# Altium PCB Thermostat.PCBDOC (part 5 of 5)
Units mil, origin at the board's own origin, x right, y up, seen from the top; angles counter-clockwise.
Board outline 4724.41 x 1988.19 mil, 4 copper layers (TOP, G1, L2, BOT), stack 61.023 mil thick; 417 components, 243 nets, 1244 pads, 695 vias.
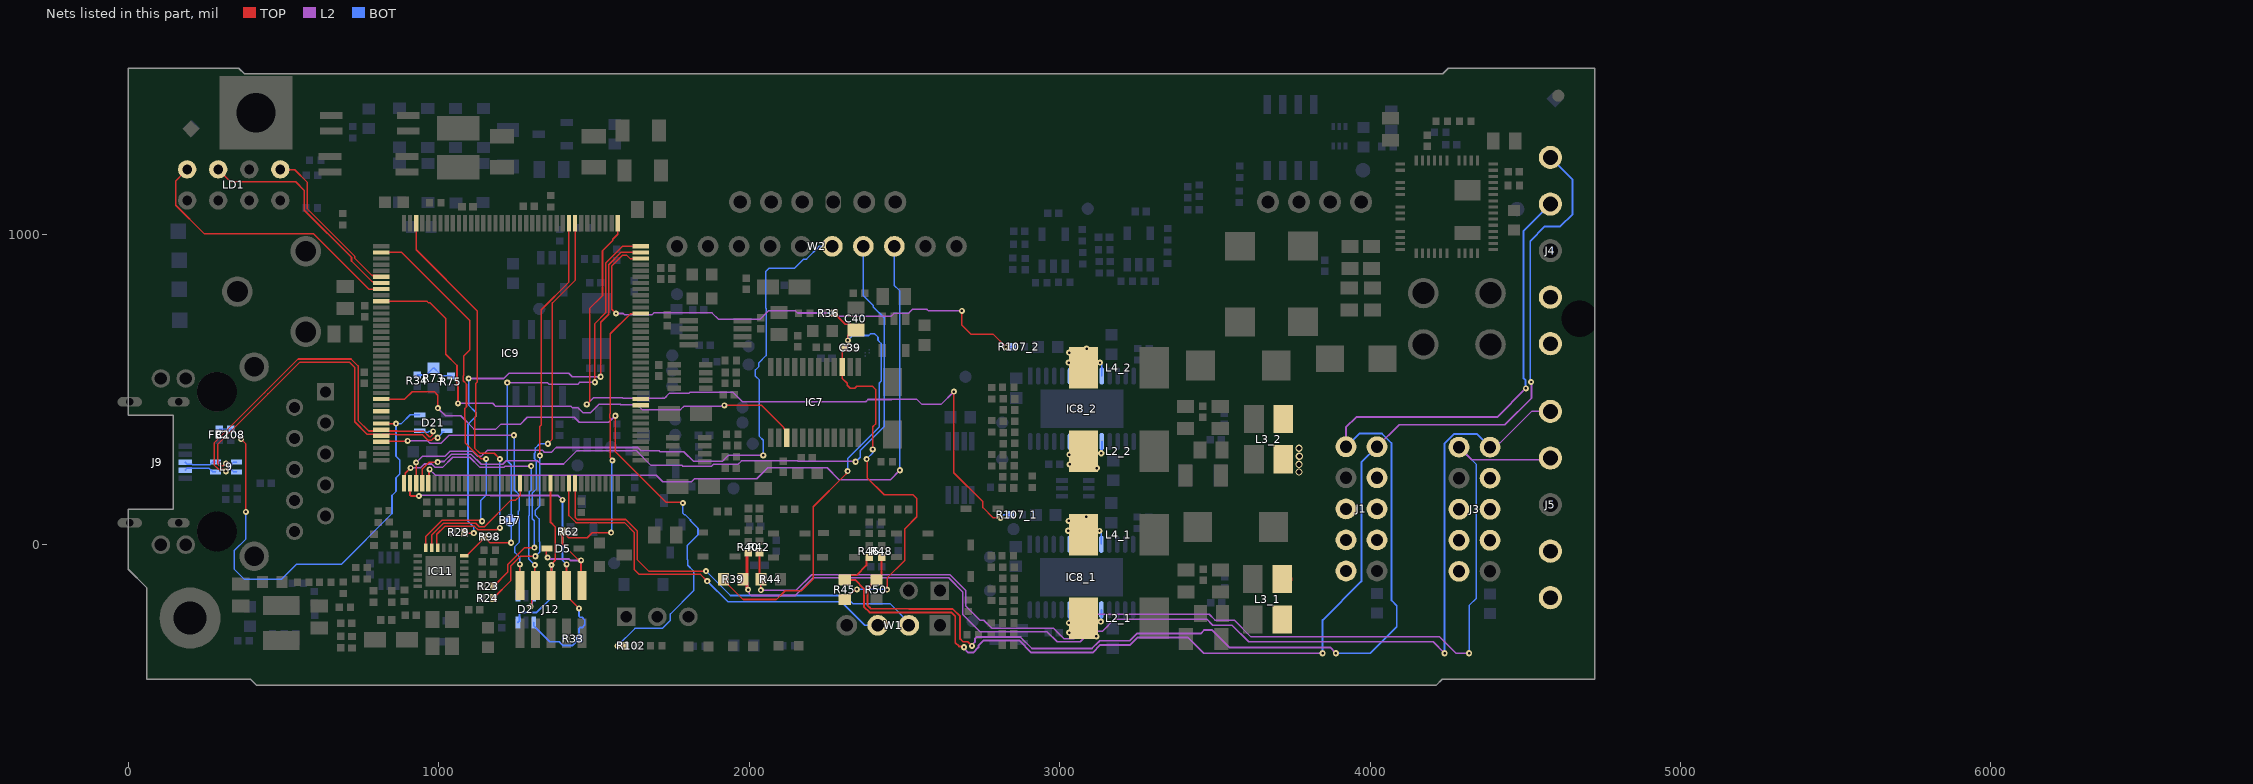
[diagram p7: the nets of this part, all layers, seen from the top]

## Via types
v1: diameter 19.68, hole 7.87, TOP to BOT, tented both sides, 555 vias
v2: diameter 23.62, hole 11.81, TOP to BOT, tented both sides, 72 vias
v3: diameter 23.62, hole 15.75, TOP to BOT, tented both sides, 63 vias
v4: diameter 25.98, hole 12.99, TOP to BOT, tented both sides, 5 vias

## Nets (pads, with @x,y where several pads share a name; then routed paths per layer and width w, separated by ;. In a path a pad name is that pad's centre, name@x,y a point inside that pad or via, vN(x,y) a via of type N, cw(c..) or ccw(c..) an arc to the next point about the centre after c; other vN are vias at no path point) (continued)
RMII_MDIO: B17.1 IC9.36 IC11.12 R98.2 | length 1528.4
  TOP w5: IC11.12@1081.69,-35.43 1089.76,-35.43 1137.26,12.07 1137.26,17.55 R98.2@1146.18,26.46 1146.18,25.68 1165.1,6.76 1227.48,6.76 v1@1230.33,9.61 ; v1(1503.03,523.67) 1503.03,712.89 1537.38,747.25 1537.38,906.74 1592.25,961.61 IC9.36@1650.59,961.61
  L2 w5: v1(1220.47,522.64) 1349.52,522.64 1354.13,518.03 1448.79,518.03 1454.43,523.67 v1(1503.03,523.67)
  BOT w5: v1(1220.47,522.64) 1220.47,271.06 1233.14,258.39 v1(1233.14,6.8)
RMII_REF_CLK: IC9.35 R29.1 | length 1484.6
  TOP w5: R29.1@1083.46,39.78 1085.69,37.55 v1(1112.7,37.55) ; v1(1521.59,541.39) 1521.59,717.31 1547.38,743.1 1547.38,902.6 1587.1,942.32 1650.2,942.32 IC9.35@1650.59,941.93
  L2 w5: v1(1096.12,535.83) 1209.14,535.83 1226.02,552.71 1418.54,552.71 1429.87,541.39 v1(1521.59,541.39)
  BOT w5: v1(1096.12,535.83) 1096.12,450.15 1118.77,427.5 1118.77,413.13 1094.17,388.53 1094.17,76.04 1112.7,57.51 v1(1112.7,37.55)
RMII_RXD0: IC9.44 R23.1 | length 1321.8
  TOP w5: R23.1@1177.2,-133.86 1177.2,-133.07 1222.44,-87.83 1222.44,-63.17 1276.89,-8.72 v1(1307.92,-8.72) ; v1(1351.44,325.83) 1366.16,340.54 1366.16,779.04 1438.98,851.86 IC9.44@1438.98,1035.43
  BOT w5: v1(1307.92,-8.72) 1307.92,77.68 1301.4,84.21 1301.4,166.64 1314.59,179.83 1314.59,271.01 1308.44,277.15 1308.44,294.51 1311.4,297.46 1311.4,312.01 1325.22,325.83 v1(1351.44,325.83)
RMII_RXD1: IC9.45 R24.1 | length 1346.9
  TOP w5: R24.1@1176.97,-171.26 1176.97,-170.47 1232.44,-115 1232.44,-67.31 1262.94,-36.81 v1(1311.36,-36.81) ; v1(1325.79,287.32) 1325.79,381.51 1330.33,386.06 1330.33,757.36 1419.29,846.32 IC9.45@1419.29,1035.43
  BOT w5: v1(1311.36,-36.81) 1325.26,-22.91 1325.26,8.34 1323.21,10.39 1323.21,83.56 1311.4,95.38 1311.4,111.33 1325.79,125.72 v1(1325.79,287.32)
RMII_TX_EN: IC9.70 IC11.16 | length 1391.7
  TOP w5: IC9.70@927.17,1035.43 927.21,1035.38 927.21,950.2 1123.46,753.95 1123.46,524.5 1118.77,519.81 1118.77,413.13 1116.57,410.93 1116.57,310.67 1132.58,294.67 1178.85,294.67 v1(1196.91,276.61) ; IC11.16@997.05,-9.84 994.04,-6.83 994.04,8.73 993.62,9.14 993.62,34.04 1019.06,59.48 1115.29,59.48 1126.21,48.57 1186.92,48.57 1193.07,54.72 v1(1197.05,54.72)
  BOT w5: v1(1196.91,276.61) 1196.98,276.54 1196.98,54.79 v1(1197.05,54.72)
RMII_TXD0: IC9.128 IC11.17 | length 428.6
  TOP w5: IC11.17@977.36,-9.84 977.36,31.92 1014.92,69.48 1119.43,69.48 1130.35,58.57 1146.95,58.57 1232.44,144.06 1248.34,144.06 1261.81,157.53 IC9.128@1261.81,198.82
RMII_TXD1: IC9.74 IC11.18 | length 1327.4
  TOP w5: IC9.74@813.98,941.93 880.73,941.93 1100.12,722.54 1100.12,627.93 1079.88,607.69 1079.88,544.11 1078.78,543.01 1078.78,528.64 1089.4,518.02 1089.4,444.43 1084.09,439.11 1084.09,405.55 1085.2,404.44 1085.2,327.9 1135.27,277.83 1151.39,277.83 v1(1152.62,276.61) ; IC11.18@957.68,-9.84 957.68,26.38 1010.78,79.48 1132.22,79.48 1135.79,75.91 v1(1139.76,75.91)
  BOT w5: v1(1139.76,75.91) 1136.95,78.72 1136.95,84.9 1135.67,86.18 1135.67,143.59 1152.62,160.53 v1(1152.62,276.61)
RST: D5.2 IC9.25 J12.10 R62.2 | length 1277.4
  TOP w5: R62.2@1408.52,33.22 1418.52,23.22 1478.55,23.22 1494.68,39.36 v1(1555.12,39.36) ; R62.2@1408.52,34.01 R62.2@1399.61,42.92 1398.62,41.94 1398.62,2.78 1448.59,-47.19 1452.15,-47.19 v1@1458.66,-53.7 ; v1(1559.13,271.69) 1559.13,275.19 1552.36,281.96 1552.36,407.73 1551.44,408.64 1551.44,423.01 1552.36,423.93 1552.36,679.72 1616.52,743.88 1649.39,743.88 IC9.25@1650.59,745.08
  TOP w6: v1@1346.19,-32.94 1346.19,-15.43 D5.2@1349.41,-12.21 ; v1@1458.66,-53.7 1458.66,-128.21 J12.10@1461.36,-130.91
  L2 w6: v1(1350.39,-40.84) 1354.63,-45.08 1419.14,-45.08 1424.06,-50 v1(1458.66,-50)
  BOT w5: v1(1555.12,39.36) 1557.12,41.36 1557.12,269.68 v1(1559.13,271.69)
RXD: IC9.137 W1.2 | length 1389.1
  TOP w5: IC9.137@1438.98,198.82 1438.96,89.02 1446.28,81.7 1602.26,81.7 1639.94,44.02 1639.94,-48.62 1675.97,-84.65 1860.69,-84.65 v1(1860.86,-84.47)
  BOT w5: v1(1860.86,-84.47) 1939.52,-163.12 2307.77,-163.12 2333.82,-189.17 2453.48,-189.17 2480.66,-216.35 2480.66,-217.14 2514.19,-250.67 W1.2@2514.19,-259.16
SCL0: IC9.11
SCL1: IC9.100
SDA0: IC9.10
SENS0_1: J1.1 J4.4 R48.1 R50.2 | length 4205.9
  TOP w6: R48.1@2426.44,-39.81 2426.44,-98.09 2411.72,-112.81 R50.2@2409.97,-112.81 2408,-112.81 2393.28,-127.52 2393.28,-129.49 2381.35,-141.43 2381.35,-195.89 2386.97,-201.51 2387.68,-201.51 2392.12,-205.95 2513.45,-205.95 2514.19,-206.69 2655.52,-206.69 2679.48,-230.65 2679.48,-302.82 2688.72,-312.05 2704.06,-312.05 v1(2717.68,-325.67)
  L2 w6: v1(2717.68,-325.67) 2717.68,-321.97 2727.87,-311.78 2727.87,-301.16 2732.11,-296.91 2873.92,-296.91 2910.88,-333.87 3104.1,-333.87 3126.05,-311.91 3126.95,-311.91 3129.77,-309.1 3225.15,-309.1 3248.57,-285.67 3454.05,-285.67 3464.97,-274.76 3491.31,-274.76 3546.72,-330.16 3871.18,-330.16 v1(3890.04,-349.02) ; J1.1@3922.26,315.9 3922.26,378.28 3955.4,411.42 4409.29,411.42 v1(4502.09,504.21)
  BOT w6: v1(3890.04,-349.02) 4000.52,-349.02 4085.63,-263.91 4085.63,-195.87 4068.9,-179.13 4068.9,327.91 4038.31,358.5 3964.86,358.5 J1.1@3922.26,315.9 ; v1(4502.09,504.21) 4500.86,505.44 4500.86,529.97 4494.55,536.28 4494.55,1011.54 J4.4@4580.84,1097.84
SENS0_2: J1.2 J4.5 R45.1 R46.1 | length 4110.9
  TOP w6: R46.1@2386.91,-39.81 2386.12,-39.81 2377.7,-48.23 2377.7,-66.24 2345.85,-98.09 2322.62,-98.09 R45.1@2307.9,-112.81 2341.12,-112.81 2369.21,-140.9 2369.21,-199.31 2387.59,-217.69 2650.97,-217.69 2663.5,-230.23 2663.5,-314.64 2676.14,-327.28 2689.31,-327.28 v1(2691.93,-329.89)
  L2 w6: v1(2691.93,-329.89) 2691.93,-333.22 2705.86,-347.15 2721.44,-347.15 2738.42,-330.16 2738.42,-324.9 2755.41,-307.91 2869.37,-307.91 2908.49,-347.04 3106.49,-347.04 3131.22,-322.3 3227.5,-322.3 3251.83,-297.97 3412.63,-297.97 3463.69,-349.02 v1(3847.11,-349.02) ; J1.2@4022.26,315.9 4093.26,386.89 4434.38,386.89 4519.93,472.44 4519.93,523.38 v1(4518.7,524.61)
  BOT w6: v1(3847.11,-349.02) 3847.11,-242.55 3971.98,-117.69 3971.98,265.62 J1.2@4022.26,315.9 ; v1(4518.7,524.61) 4518.7,527.68 4515.75,530.64 4515.75,978.62 4562.89,1025.76 4612.45,1025.76 4652.13,1065.44 4652.13,1176.54 J4.5@4580.84,1247.84
SENS1_1: J3.1 J5.4 R42.1 R44.2 | length 3647
  TOP w5: v1(2037.5,-145.78) R44.2@2037.5,-111.02
  TOP w6: R42.1@2033.05,-25.45 2033.05,-106.54 R44.2@2037.52,-111
  L2 w5: v1(2037.5,-145.78) 2151.76,-145.78 2201.29,-96.25 2646.72,-96.25 2698.08,-147.62 2698.08,-197.43 2743.8,-243.15 2755.87,-243.15 2781.72,-269 2980.28,-269 3013.81,-302.52 3045.1,-302.52 3072.87,-274.76 3072.87,-252.12 3101.12,-223.87 3481.82,-223.87 3500.42,-242.48 3562.19,-242.48 3615.13,-295.41 4223.12,-295.41 4276.73,-349.02 v1(4318.9,-349.02) ; J3.1@4286.44,314.72 4327.4,273.76 4574.87,273.76 J5.4@4580.84,279.72
  BOT w5: J3.1@4286.44,314.72 4342.52,258.64 4342.52,-172.04 4318.9,-195.66 v1(4318.9,-349.02)
SENS1_2: J3.2 J5.5 R39.1 R40.1 | length 3710.4
  TOP w10: v1(1996.65,-144.3) 1996.65,-141.68 1993.04,-138.07 1993.04,-123.72 R39.1@1980.32,-111 1993.04,-98.29 1993.04,-30.12 R40.1@1996.9,-26.26
  L2 w5: v1(1996.65,-144.3) 1999.46,-147.11 1999.46,-156.69 2005.89,-163.12 2148.56,-163.12 2205.43,-106.25 2642.57,-106.25 2688.08,-151.76 2688.08,-224.41 2743.8,-280.13 2959.56,-280.13 2991.95,-312.52 3066.69,-312.52 3101.48,-277.74 3138.5,-277.74 3177.05,-239.19 3473.65,-239.19 3493.55,-259.08 3555.38,-259.08 3608.82,-312.52 4203.3,-312.52 v1(4239.8,-349.02) ; J3.2@4386.44,314.72 4403.2,314.72 4417.74,329.27 4419.82,329.27 4520.28,429.72 J5.5@4580.84,429.72
  BOT w6: v1(4239.8,-349.02) 4239.8,326.73 4270.39,357.31 4343.84,357.31 J3.2@4386.44,314.72
SPI3_MISO: IC9.112 W2.7 | length 2291
  TOP w5: IC9.112@946.85,198.82 946.85,243.92 969.58,266.65 v1(996.07,266.65)
  L2 w5: v1(996.07,266.65) 997.94,268.52 1017.17,268.52 1040.79,292.14 1103.89,292.14 1136.76,259.27 1205.81,259.27 1217.54,270.99 1317.59,270.99 1328.13,260.45 1402.19,260.45 1445.24,303.5 1636.46,303.5 1684.06,255.91 1700.79,255.91 ; 1700.79,256.15 1783.18,256.15 1785.97,253.36 1878.5,253.36 1884.04,258.9 1963.34,258.9 1974.89,270.45 2155.52,270.45 2157.12,268.86 2341.72,268.86 v1(2343,267.57)
  BOT w5: v1(2343,267.57) 2357.8,282.37 2357.8,304.29 2434.83,381.32 2434.83,731.26 2399.84,766.25 2399.84,770.62 2367.51,802.94 W2.7@2367.51,961.61
SPI3_MOSI: IC9.113 W2.8 | length 2353.2
  TOP w5: IC9.113@966.54,198.82 968.55,200.83 968.55,241.1 v1(970.56,243.11)
  L2 w5: v1(970.56,243.11) 989.84,223.83 1700.38,223.83 1721.13,203.08 1814.3,203.08 1824.12,212.9 2024.43,212.9 2059.95,248.43 2251.13,248.43 2289.52,210.04 2455.12,210.04 v1(2485.24,240.16)
  BOT w5: W2.8@2467.51,961.61 2467.51,835.64 2484.25,818.9 2484.25,241.14 v1(2485.24,240.16)
SPI3_SCK: IC9.111 W2.6 | length 2115.8
  TOP w5: IC9.111@927.17,198.82 v1(927.17,265.26)
  L2 w5: v1(927.17,265.26) 946.77,284.86 1019.37,284.86 1036.65,302.14 1108.03,302.14 1125.31,284.86 1136.34,284.86 1146.14,294.67 1146.95,294.67 1156.95,304.67 1333.94,304.67 1340.12,298.48 1362.77,298.48 1377.79,313.5 1640.6,313.5 1651.33,302.77 1709.94,302.77 1712.57,300.14 1789.47,300.14 1820.71,268.9 1914.2,268.9 1933.72,288.42 v1(2045.38,288.42)
  BOT w5: v1(2045.38,288.42) 2045.38,336.86 2032.89,349.34 2032.89,530.64 2020.16,543.37 2020.16,563.34 2031.32,574.49 2031.32,586.95 2054.34,609.98 2054.34,761.43 2053.24,762.53 2053.24,880.77 2063.4,890.93 2145.83,890.93 2175.56,920.65 2184.49,920.65 2225.45,961.61 W2.6@2267.52,961.61
STAT1R: IC9.78 LD1.8 | length 521
  TOP w5: LD1.8@498.03,1211.61 510.2,1199.45 518.78,1208.03 536.28,1208.03 577.09,1167.22 577.09,1081.99 728.86,930.22 728.86,923.92 785.2,867.58 809.59,867.58 IC9.78@813.98,863.19
STAT3G: IC9.79 LD1.4 | length 720.6
  TOP w5: LD1.4@287.4,1204.72 294.29,1204.72 329.35,1169.67 539.16,1169.67 567.09,1141.73 567.09,1077.85 718.86,926.08 718.86,914.23 785.2,847.89 809.59,847.89 IC9.79@813.98,843.5
STAT4G: IC9.80 LD1.2 | length 900.5
  TOP w5: LD1.2@178.15,1210.63 178.15,1198.03 152.54,1172.42 152.54,1094.11 244.07,1002.58 595.34,1002.58 774.1,823.82 IC9.80@813.98,823.82
SW1_1: IC8_1.19 IC8_1.21 IC8_1.23 L2_1.1 | length 262.7
  BOT w6: v1(3029.98,-251.15) 3031.8,-251.15 3031.98,-250.98 IC8_1.23@3031.98,-209.17 ; v1(3030.48,-282.76) 3047.64,-282.76 3083.16,-247.24 ; IC8_1.21@3083.16,-209.17 3083.16,-247.24 ; v1(3118.55,-295.08) 3097.8,-295.08 3083.16,-280.43 3083.16,-247.24 ; v1(3132.36,-247.06) 3134.34,-245.08 IC8_1.19@3134.34,-209.17
SW1_2: IC8_2.19 IC8_2.21 IC8_2.23 L2_2.1 | length 262.7
  BOT w6: v1(3031.5,290.85) 3033.32,290.85 3033.5,291.02 IC8_2.23@3033.5,332.83 ; v1(3032,259.24) 3049.16,259.24 3084.68,294.76 ; IC8_2.21@3084.68,332.83 3084.68,294.76 ; v1(3120.07,246.92) 3099.32,246.92 3084.68,261.57 3084.68,294.76 ; v1(3133.88,294.94) 3135.86,296.92 IC8_2.19@3135.86,332.83
SW2_1: IC8_1.6 IC8_1.8 IC8_1.10 L4_1.1 | length 250.3
  BOT w5: v1(3027.48,45.24) 3031.98,40.75 IC8_1.6@3031.98,1.86 ; v1(3029.48,77.24) 3043.51,77.24 3083.16,37.6 ; IC8_1.8@3083.16,1.86 3083.16,37.6 ; v1(3085.57,90.24) 3085.57,40.01 3083.16,37.6 ; v1(3128.36,44.94) 3134.34,38.97 IC8_1.10@3134.34,1.86
SW2_2: IC8_2.6 IC8_2.8 IC8_2.10 L4_2.1 | length 250.3
  BOT w5: v1(3029,587.24) 3033.5,582.75 IC8_2.6@3033.5,543.86 ; v1(3031,619.24) 3045.03,619.24 3084.68,579.6 ; IC8_2.8@3084.68,543.86 3084.68,579.6 ; v1(3087.09,632.24) 3087.09,582.01 3084.68,579.6 ; v1(3129.88,586.94) 3135.86,580.97 IC8_2.10@3135.86,543.86
SWCLK: D2.3 IC9.109 J12.4 | length 986.3
  TOP w5: IC9.109@887.8,198.82 892.19,203.21 892.19,231.02 v1(909.13,247.96) ; v1@1298.9,-191.22 1298.9,-143.37 J12.4@1311.36,-130.91 1309.39,-128.94 v1(1309.39,-64.82)
  L2 w5: v1(909.13,247.96) v1(909.13,247.96) 940.56,247.91 953.1,260.45 977.75,260.45 988.89,249.31 1012.11,249.31 1044.94,282.14 1099.75,282.14 1132.62,249.27 1209.96,249.27 1214.34,253.65 v1(1297.24,253.65)
  BOT w5: v1(1295.28,-198.82) 1295.28,-194.85 1300.73,-189.39 1300.73,-168.76 D2.3@1306.1,-163.39 ; v1(1297.24,253.65) 1297.24,176.63 1291.4,170.78 1291.4,94.59 1290.58,93.77 1290.58,-46.01 v1(1309.39,-64.82)
SWDIO: D2.1 IC9.105 J12.2 | length 1053.4
  TOP w5: IC9.105@813.98,331.69 815.47,333.19 898.15,333.19 v1@899.65,331.69 ; J12.2@1261.36,-130.91 v1(1261.36,-62.92)
  L2 w5: v1(899.65,334.68) 964.53,334.68 972.29,326.93 1007.13,326.93 1033.21,353.01 v1(1242.13,353.01)
  BOT w5: v1(1242.13,353.01) 1243.14,352 1243.14,177.49 1259.84,160.79 1259.84,112.09 1256.34,108.59 1256.34,94.22 1259.84,90.72 1259.84,8.98 1245.28,-5.59 1245.28,-24.61 1261.36,-40.69 v1(1261.36,-62.92) 1261.36,-107.91 1260.3,-108.98 1260.3,-158.01 D2.1@1254.92,-163.39
SYNC: IC7.15 IC9.82 | length 1674.5
  TOP w5: IC9.82@813.98,784.45 961.87,784.45 967.11,779.21 972.73,779.21 1022.78,729.17 1022.78,614.09 1058.78,578.09 1058.78,520.36 1062.06,517.08 v1(1062.06,455.75) ; v1(1920.28,448.99) 2040.23,448.99 2111.89,377.33 2111.89,374.6 2121.12,365.37 IC7.15@2121.12,344.7
  L2 w5: v1(1062.06,455.75) 1173.56,455.75 1183.31,446 1426.19,446 1431.15,441.04 1449.24,441.04 1465.32,424.97 1487.97,424.97 1516.17,453.17 1584.25,453.17 1586.38,451.04 1639.75,451.04 1655.01,435.78 1779.05,435.78 1789.56,446.28 1917.57,446.28 v1(1920.28,448.99)
TACHO: IC9.98 R102.1 | length 1951.6
  TOP w5: IC9.98@813.98,469.49 890.75,469.49 914.37,493.11 986.07,493.11 997.05,482.14 v1(997.05,440.29) ; v1(1568.78,415.83) 1568.78,300.31 1731.3,137.8 v1@1783.46,137.8 ; v1(1575.22,-325.88) 1600.87,-325.88 R102.1@1600.99,-325.76
  L2 w5: v1(997.05,440.29) 1021.41,415.93 1070.45,415.93 1113.37,373.01 1184.28,373.01 1199.09,387.82 1262.17,387.82 1285.39,411.04 1436.81,411.04 1452.89,394.97 1547.92,394.97 v1(1568.78,415.83)
  BOT w5: v1(1575.22,-325.88) 1631.85,-269.26 1719.53,-269.26 1746.07,-242.72 1746.07,-222.51 1820.82,-147.76 1820.82,-84.57 1801.73,-65.47 1801.73,-48.79 1800.41,-47.48 1800.41,-2.09 1835.1,32.59 1835.1,53.32 1810.87,77.55 1810.87,80.17 1794.5,96.54 1791.87,96.54 1786.42,102 v1(1786.42,134.84)
TDI: D2.4 IC9.110 J12.8 R33.2 | length 1224.5
  TOP w6: IC9.110@907.48,198.82 906.99,198.33 906.99,160.29 909.87,157.4 v1(935.82,157.4) ; v1(1411.75,-62.92) 1411.75,-130.51 J12.8@1411.36,-130.91 1411.36,-163.19 1451.77,-203.6 v1(1451.77,-204.61)
  L2 w6: v1(935.82,157.4) 938.12,159.7 1165.86,159.7 1167,158.55 1382.27,158.55 1383.51,159.79 v1(1398.62,144.68)
  BOT w6: D2.4@1306.1,-250 1306.1,-260.83 1357.28,-312.01 1387.8,-312.01 1399.61,-323.82 1431.69,-323.82 1451.57,-303.94 R33.2@1451.57,-303.15 1451.57,-270.2 1455.09,-266.69 1461.66,-266.69 1470.47,-257.87 1470.47,-242.13 1461.66,-233.31 1455.29,-233.31 1451.77,-229.8 v1(1451.77,-204.61) ; v1(1398.62,144.68) 1398.62,-49.79 v1(1411.75,-62.92)
TDO: D2.6 IC9.133 J12.6 | length 600.6
  TOP w6: IC9.133@1360.24,198.82 1360.24,72.42 1375.13,57.53 1375.13,-50.11 1363.27,-61.97 v1@1363.27,-64.9 ; J12.6@1361.36,-130.91 1363.19,-129.07 1363.19,-68.65 v1@1361.36,-66.82
  BOT w6: D2.6@1254.92,-250 1259.53,-245.39 1259.53,-222.3 1264.15,-217.68 1315.66,-217.68 1363.19,-170.16 v1(1363.19,-64.82)
TEC0_N: J1.4 J1.6 J1.8 J4.1 L3_2.2
  other v3: 3771.06,234.62 3771.06,259.24 3772.27,285.43 3771.06,311.17
TEC0_P: J1.5 J1.7 J1.9 J4.2 L3_2.3
TEC1_N: J3.4 J3.6 J3.8 J5.1 L3_1.2
TEC1_P: J3.5 J3.7 J3.9 J5.2 L3_1.3 | length 13.5
  TOP w40: L3_1.3@3716.98,-110.23 L3_1.3@3730.47,-110.23
TXD: IC9.136 W1.3 | length 1315.5
  TOP w5: IC9.136@1419.29,198.82 1419.29,94.54 1442.14,71.7 1598.12,71.7 1629.79,40.02 1629.79,6.66 1629.94,6.51 1629.94,-79.35 1645.96,-95.37 1843.41,-95.37 v1(1865,-116.96)
  BOT w5: v1(1865,-116.96) 1931.43,-183.39 2296.65,-183.39 2372.12,-258.86 2413.89,-258.86 W1.3@2414.19,-259.16
USB_ID: C108.2 D21.6 FB2.1 IC9.102 | length 1577
  TOP w5: v1(363.19,340.54) 378.77,324.96 v1(378.77,106.22) ; IC9.102@813.98,390.75 v1(862.25,390.75)
  BOT w5: FB2.1@292.65,372.91 329.66,372.91 C108.2@330.05,372.51 331.22,372.51 v1(363.19,340.54) ; v1(378.77,106.22) 378.77,18.91 340.77,-19.09 340.77,-77.77 374.21,-111.21 434.27,-111.21 434.45,-111.04 493.3,-111.04 541.32,-63.01 685.53,-63.01 849.35,100.81 849.35,159.35 862.25,172.24 862.25,216.2 874.82,228.78 874.82,272.74 862.25,285.31 v1(862.25,390.75) 879.9,390.75 907.85,418.7 D21.6@938.96,418.7
USB_N: D21.4 IC9.103 L9.3 | length 1245.1
  TOP w5: v1(314.06,237.08) 312.71,237.08 305.86,243.92 289.73,243.92 286.51,247.14 276.4,257.25 276.4,328.04 438.94,490.58 546.96,598.6 717.56,598.6 740.14,576.02 740.14,400.83 774.25,366.72 809.63,366.72 IC9.103@813.98,371.06 815.13,372.22 820.63,366.72 865.61,366.72 866.85,365.48 952.26,365.48 969.76,347.97 973.37,347.97 979.01,353.62 979.01,362.5 v1(981.82,365.31)
  BOT w5: v1(314.06,237.08) 316.37,237.08 323.21,243.92 330.28,243.92 333.21,240.99 333.21,240.61 338.58,235.24 L9.3@348.43,235.24 ; D21.4@938.96,367.52 944.34,362.15 964.27,362.15 967.44,365.31 v1(981.82,365.31)
USB_P: D21.3 IC9.104 L9.2 | length 1201.3
  TOP w5: v1(314.06,261.76) 312.71,261.76 305.86,254.92 294.29,254.92 287.4,261.81 287.4,323.48 449.94,486.02 551.52,587.6 713.01,587.6 729.14,571.47 729.14,396.27 769.69,355.72 809.63,355.72 IC9.104@813.98,351.38 818.32,355.72 861.05,355.72 862.29,354.48 947.7,354.48 965.21,336.97 976.51,336.97 983.12,343.58 994.5,343.58 v1(996.07,345.16)
  BOT w5: v1(314.06,261.76) 317.2,261.76 324.04,254.92 330.28,254.92 333.21,257.85 333.21,261.36 338.58,266.73 L9.2@348.43,266.73 ; v1(996.07,345.16) 1009.38,358.46 1009.38,362.15 1011.41,364.17 D21.3@1017.72,364.17
USB_VBUS: R34.2 R73.1 R75.1 | length 131.2
  BOT w5: R34.2@931.1,547.05 961.42,547.05 966.08,551.71 966.08,553.68 981.3,568.9 R73.1@983.27,568.9 985.24,568.9 1000.45,553.68 1000.45,549.74 1005.91,544.29 1039.37,544.29 R75.1@1039.37,544.09
USBJ_N: J9.2 L9.4 | length 106.5
  BOT w5: J9.2@183.07,240.16 189.43,246.52 204.22,246.52 205.15,247.45 237.35,247.45 259.44,247.45 271.65,235.24 L9.4@281.5,235.24
USBJ_P: J9.3 L9.1 | length 104.9
  BOT w5: J9.3@183.07,265.75 189.43,259.39 204.41,259.39 205.35,258.45 241.91,258.45 263.37,258.45 271.65,266.73 L9.1@281.5,266.73
Vref0: IC9.34 R107_2.1 | length 1666.7
  TOP w5: v1(1571,745.24) 1557.38,758.86 1557.38,898.46 1591.24,932.32 1606.04,932.32 1616.11,922.24 IC9.34@1650.59,922.24 ; v1(2684.85,753.62) 2684.85,708.17 2715.08,677.94 2786.58,677.94 v1(2826.68,637.83)
  L2 w5: v1(1571,745.24) 1594.47,745.24 1598.82,740.9 1687.13,740.9 1693.28,747.04 1880.23,747.04 1900.74,726.53 2034.57,726.53 2061.45,753.42 2149.45,753.42 2156.01,746.85 2255.72,746.85 2266.49,736.09 2456.55,736.09 2466.05,745.59 2512.61,745.59 2525.61,758.59 2572.18,758.59 2577.15,753.62 v1(2684.85,753.62)
  BOT w5: v1(2826.68,637.83) R107_2.1@2850.31,637.83
Vref1: IC9.37 R107_1.1 | length 2384.8
  TOP w5: v1(1476.64,452.31) 1485.68,461.35 1485.68,761.02 1527.38,802.72 1527.38,947.15 1560.6,980.37 1560.6,984.55 1576.77,1000.72 IC9.37@1576.77,1035.43 ; v1@2654.06,493.53 2654.06,489.56 2659.07,484.54 2659.07,232.51 2752.95,138.63 2752.95,120.02 2785.64,87.34 v1(2809.45,87.34)
  L2 w5: v1(1476.64,452.31) 1497.5,473.17 1592.53,473.17 1593.19,472.51 1726.88,472.51 1743.36,489 1806.81,489 1809.03,491.22 1948.13,491.22 1978.13,461.22 2375.67,461.22 2382.58,468.13 2459.77,468.13 2460.04,468.4 2540.27,468.4 2556.23,452.44 2617.99,452.44 v1(2659.07,493.53)
  BOT w5: v1(2809.45,87.34) 2819.29,97.18 R107_1.1@2842.91,97.18
Vref+: C39.1 C40.1 IC7.3 R36.1 R39.2 R45.2 | length 2695.7
  TOP w5: R39.2@1917.33,-111 1917.33,-112.97 1980.34,-175.98 2087.74,-175.98 2116.19,-147.53 2168.72,-147.53 2206.43,-109.81 2206.43,122.55 2311.73,227.86 2311.73,228.41 2316.73,233.41 v1(2316.73,237.39) ; R36.1@2275.35,745.38 2275.35,744.6 2309.21,710.73 2325.29,710.73 C40.1@2343.46,692.57 2336.57,692.57 2317.73,673.73 v1(2317.73,658.82) 2317.73,643.92 C39.1@2308.03,634.21 2300.26,626.44 IC7.3@2300.26,573.05 2300.26,535.37 2315.45,520.18 2315.45,514.35 2325.61,504.19 2339.98,504.19 2346.62,510.83 2396.65,510.83 2397.64,509.84 ; R45.2@2307.9,-175.8 2309.87,-175.8 2339.33,-146.34 2343.8,-146.34 v1(2346.61,-143.53) ; v1(2378,276.24) 2380.34,273.9 2380.34,215.72 2434.66,161.4 2527.85,161.4 2540,149.24 2540,90.12 2501.56,51.69 2501.56,-49.24 2444.02,-106.78 v1(2444.02,-144.3) ; v1(2398,307.24) 2398,380.04 2407.11,389.15 2407.11,500.74 2398,509.84
  BOT w5: v1(2316.73,237.39) 2316.73,277.36 2418.76,379.39 2418.76,520.75 2424.83,526.82 2424.83,648.83 2414.83,658.83 2414.83,669.21 2404.67,679.37 2390.31,679.37 2385.23,674.29 2333.2,674.29 v1(2317.73,658.82) ; v1(2346.61,-143.53) 2443.25,-143.53 v1(2444.02,-144.3) ; v1(2378,276.24) 2398,296.24 v1(2398,307.24)
pads on no net: D21.1 FIX1.1 FTG1.FTG2 FTG2.1 FTG3.1 FTG4.1 IC1.23 IC1.24 IC1.25 IC1.27 IC1.28 IC1.29 IC1.30 IC1.32 IC1.33 IC1.34 IC1.40 IC1.41 IC2.4 IC2.5 IC2.6 IC2.9 IC3.5 IC4.1 IC4.3 IC4.5 IC4.8 IC6.4 IC7.9 IC7.19 IC7.20 IC9.2 IC9.4 IC9.6 IC9.8 IC9.9 IC9.12 IC9.13 IC9.14 IC9.15 IC9.22 IC9.55 IC9.56 IC9.57 IC9.85 IC9.86 IC9.87 IC9.88 IC9.89 IC9.90 IC9.91 IC9.92 IC9.93 IC9.118 IC9.119 IC9.122 IC9.123 IC9.124 IC9.125 IC9.126 IC9.127 IC9.132 IC9.135 IC9.141 IC9.142 IC9.143 IC12.5 IC19.7 J2.2 J6.5 J10.MH1 J10.MH2 J12.7 J12.9 ST2.0

## Polygon pours and split planes (outlines as drawn)
NetC60_2_1 on TOP "TopLayer-NetC16_2_2 1" (solid, remove dead copper, pour order 110): 3223.81,248.64 3261.02,211.43 3297.24,211.43 3317.04,191.63 3403.73,191.63 3494.09,282 3494.09,431.85 3243.48,431.85 3243.48,376.16 3223.81,376.16
TEC1_N on TOP "NONET_L-01_P-001" (solid, remove dead copper, pour order 136): 4323.99,-215.09 4348.76,-239.85 4418.22,-239.85 4443.54,-214.54 4443.54,-196.23 4526.54,-113.23 4604.88,-113.23 4645.67,-72.44 4645.67,23.13 4611.56,57.24 4517.82,57.24 4466.54,5.96 4466.54,-21.88 4445.6,-42.81 4357.78,-42.81 4342.52,-27.56 4342.52,251.99 4360.24,269.71 4644.66,269.71 4724.41,189.96 4724.41,-205.71 4573.7,-356.42 3922.87,-356.42 3898.03,-331.58 3691.46,-331.58 3665.62,-305.74 3665.62,-177.68 3770.24,-177.68 3807.65,-215.09 3959.81,-215.09 3983.39,-238.67 4061.64,-238.67 4085.22,-215.09
TEC1_P on TOP "NONET_L-01_P-001" (solid, remove dead copper, pour order 134): 3674.61,-49.93 3674.61,-154.62 3690.27,-170.28 3776.62,-170.28 3808.67,-202.33 4427.02,-202.33 4522.12,-107.23 4597.5,-107.23 4635.83,-68.9 4635.83,13.78 4597.44,52.17 4529.53,52.17 4477.36,0 4477.36,-53.52 4392.1,-138.78 4355.31,-138.78 4355.31,-137.39 4333.34,-115.41 4333.34,144.03 4310.83,166.53 4246.96,166.53 4171.26,90.82 4171.26,-98.13 4132.28,-137.11 3894.94,-137.11 3799.28,-41.45 3683.09,-41.45
GND on TOP "NONET_L-01_P-001" (solid, remove dead copper, pour order 168): 1775.81,1436.02 3516.08,1436.02 3516.08,912.64 3509.11,905.67 1779.79,905.67
P12V0 on TOP "NONET_L-01_P-001" (solid, remove dead copper, pour order 152): 3897.92,1191.93 4123.03,1191.93 4123.03,1211.42 4318.33,1211.42 4362.43,1167.32 4396.66,1167.32 4424.47,1139.51 4520.56,1139.51 4549.89,1168.84 4549.89,1407.79 4521.65,1436.02 3624.78,1436.02 3516.08,1327.32 3516.08,1192.1
GND on TOP "NONET_L-01_P-001" (solid, remove dead copper, pour order 170): 3887.8,1171.26 3887.8,935.04 4035.43,935.04 4035.43,1023.62 4055.12,1043.31 4055.12,1181.1 3897.64,1181.1
P5V0 on TOP "TopLayer-P5V0" (solid, remove dead copper, pour order 120): 3157.93,107.96 3239.12,107.96 3239.12,127.25 3374.46,127.25 3393.75,107.96 3393.75,-4.12 3407.6,-17.97 3600.84,-17.97 3600.84,168.24 3376.86,168.24 3363.55,181.56 3303.49,181.56 3245.78,231.42 3157.93,231.71
NetIC8_2_15 on TOP "TopLayer-NetIC2_2_15" (solid, remove dead copper, pour order 116): 3565.79,351.57 3669.93,351.57 3669.93,189.23 3657.35,176.64 3482.84,176.64 3459.03,200.46 3459.03,244.8 3487.76,273.54 3552.72,273.54 3565.79,286.61
NetC60_1_1 on TOP "TopLayer-NetC16_2_2 1" (solid, remove dead copper, pour order 111): 3227,-350.37 3402.21,-350.37 3492.58,-260 3492.57,-110.15 3241.96,-110.15 3241.96,-165.84 3227,-165.84
P5V0 on TOP "NONET_L-01_P-001" (solid, remove dead copper, pour order 148): 3590.29,510.07 3910.12,510.07 3965.62,565.57 3965.62,639.44 3995.9,669.72 4113.52,669.72 4155.55,711.76 4224.61,711.76 4284.76,771.91 4284.76,952.64 4271.66,965.75 4123.03,965.75 4123.03,1034.45 4066.2,1034.45 4048.88,1017.13 4048.88,927.06 4045.05,923.23 3867.93,923.23 3825.05,880.35 3714.94,880.35 3675.82,841.22 3541.67,841.22 3470.28,769.82 3470.28,648.18 3517.43,601.02 3517.43,532.1 3518.53,532.1 3541.51,509.13 3586.49,509.13
NetIC8_1_15 on TOP "TopLayer-NetIC2_1_15" (solid, remove dead copper, pour order 117): 3561.47,-177.68 3665.62,-177.68 3665.62,-345.15 3648.05,-362.72 3488.64,-362.72 3454.71,-328.79 3454.71,-300.71 3490.95,-264.46 3499.7,-255.71 3548.4,-255.71 3561.47,-242.64
TEC0_N on TOP "NONET_L-01_P-001" (solid, remove dead copper, pour order 142): 4608.94,701.41 4714.25,596.1 4714.25,398.3 4679.55,363.6 4252.96,363.6 4227.91,338.56 4227.91,174.48 4154.4,100.97 4154.4,-91.11 4120.82,-124.69 4005.66,-124.69 3984.57,-103.6 3984.57,400.69 4015.72,431.85 4294.36,431.85 4563.92,701.41
TEC0_N on TOP "NONET_L-01_P-001" (solid, remove dead copper, pour order 140): 3785.57,332.61 3799.28,318.9 3799.28,225.79 3785.21,211.72 3688.11,211.72 3678.85,220.98 3678.85,329.03 3682.44,332.61
TEC0_P on TOP "NONET_L-01_P-001" (solid, remove dead copper, pour order 138): 3676.13,476.13 3676.13,363.8 3697.92,342.02 3785.39,342.02 3846.41,281 3846.41,-70.81 3907.96,-132.36 3959.19,-132.36 3970.95,-120.61 3970.95,-107.23 3977.02,-101.16 3977.02,408.85 4013.6,445.43 4295.2,445.43 4572.78,723.01 4612.75,723.01 4663.39,773.64 4663.39,841.54 4661.8,841.54 4597.67,905.67 4429.12,905.67 4061.13,524.61 3729.15,524.61
NetC62_2_1 on TOP "TopLayer-NetC17_2_2" (solid, remove dead copper, pour order 114): 3248.03,648.18 3248.03,443.87 3255.53,436.37 3489.57,436.37 3506.34,419.6 3571.72,419.6 3571.72,377.27 3576.05,372.94 3671.61,372.94 3676.13,377.47 3676.13,476.13 3651.42,500.84 3411.11,500.84 3385.83,526.13 3385.83,633.61 3371.26,648.18
NetC62_1_1 on TOP "TopLayer-NetC17_1_2" (solid, remove dead copper, pour order 115): 3246.51,117.45 3246.51,-98.13 3254.01,-105.63 3488.05,-105.63 3504.83,-122.4 3570.2,-122.4 3570.2,-164.73 3574.53,-169.06 3670.09,-169.06 3674.61,-164.53 3674.61,-49.93 3650.01,-25.32 3393.75,-25.32 3384.31,-15.87 3384.31,99.19 3366.04,117.45
GND on BOT "NONET_L-01_P-001" (solid, remove dead copper, pour order 174): 2055.82,574.03 2055.82,355.01 2057.15,353.69 2368.79,353.69 2368.79,572.55 2054.34,572.55
P3V3A on BOT "NONET_L-01_P-001" (solid, remove dead copper, pour order 156): 2127.84,-62.42 2127.84,158.51 2206.28,236.95 2380.66,236.95 2419.29,275.58 2419.29,308.5 2428.98,318.19 2475.31,318.19 2485.24,308.26 2485.24,238.01 2640.75,82.5 2640.75,-59.15 2596.25,-103.65 2169.07,-103.65
GND on BOT "NONET_L-01_P-001" (solid, remove dead copper, pour order 172): 1820.87,1525.59 1811.02,1515.75 1811.02,1112.2 1899.61,1023.62 3469.49,1023.62 3469.49,1531.18
P12V0_POE on BOT "NONET_L-01_P-001" (solid, remove dead copper, pour order 176): 3866.55,1263.78 3920.68,1209.65 3920.68,1009.27 3804,892.59 3610.82,892.59 3507.49,995.91 3507.49,1232.4 3538.88,1263.78
P5V0 on BOT "NONET_L-01_P-001" (solid, remove dead copper, pour order 154): 3149.44,-244.72 3205.1,-244.72 3450.69,0.87 3450.69,43.49 3480.61,73.41 3604.74,73.41 3648.07,30.09 3648.07,-19.37 3598.57,-68.87 3525.49,-68.87 3330.22,-264.14 3330.22,-336.84 3301.46,-365.61 3152.68,-365.61 3152.68,-317.91
NetIC8_1_15 on BOT "NONET_L-01_P-001" (solid, remove dead copper, pour order 164): 3465.65,-251.76 3465.65,-334.68 3482.2,-351.22 3567.43,-351.22 3585.87,-332.78 3585.87,-275.17 3551.33,-240.62 3475,-240.62
NetC60_1_1 on BOT "NONET_L-01_P-001" (solid, remove dead copper, pour order 162): 3342.74,-334.8 3355.05,-347.1 3431.41,-347.1 3455.9,-322.61 3455.9,-255.16 3444.49,-243.75 3363.31,-243.75 3342.74,-264.32
NetIC8_2_15 on BOT "NONET_L-01_P-001" (solid, remove dead copper, pour order 160): 3461.61,282.35 3461.61,190.79 3465.65,186.75 3549.34,186.75 3578.98,216.39 3578.98,275.71 3566.41,288.28 3465.65,288.28
P5V0 on BOT "BottomLayer-P5V0" (solid, remove dead copper, pour order 124): 3503.94,114.63 3649.85,114.63 3651.57,116.35 3651.57,585.8 3624.72,612.65 3554.14,612.65 3523.62,612.65 3523.62,563.45 3595.5,491.57 3595.5,232.91 3538.57,175.98 3503.94,175.98
P5V0 on L2 "NONET_L-01_P-001" (solid, remove dead copper, pour order 150): 3081,760.61 3678.41,760.61 3714.87,724.15 3714.87,-178.83 3686.34,-207.36 3073.82,-207.36 3073.82,753.43
P12V0 on L2 "NONET_L-01_P-001" (solid, remove dead copper, pour order 146): 467.52,845.47 681.1,845.47 958.66,1123.03 1852.6,1123.03 1897.88,1168.31 3404.52,1168.31 3760.35,812.49 3760.35,627.45 3937.01,450.79 4389.1,450.79 4485.55,547.24 4581.69,547.24 4629.92,499.02 4629.92,28.8 4472.18,-128.94 4001.97,-128.94 3962.66,-168.24 3962.66,-218.12 4001.3,-256.76 4630.06,-256.76 4724.41,-162.4 4724.41,1250 4484.25,1490.16 544.76,1490.16 448.82,1394.21 448.82,867.13 459.65,856.3
P3V3 on L2 "NONET_L-01_P-001" (solid, remove dead copper, pour order 166): 643.92,794.73 643.92,446.48 753.83,336.57 753.83,171.12 823.55,101.4 996.07,-71.12 996.07,-187.66 967.52,-216.21 901.27,-216.21 873.72,-243.77 821.43,-243.77 781.23,-203.57 695.23,-203.57 651.12,-159.45 571.19,-159.45 516.92,-105.18 151.63,-105.18 78.74,-178.06 78.74,-375.98 99.41,-396.65 129.92,-366.14 1729.33,-366.14 1773.71,-321.76 1773.71,88.83 1636.77,225.77 902.95,225.77 901.27,227.44 901.27,501.44 1215.7,815.87 2726.3,815.87 2785.43,874.99 2785.43,1012.3 2675.68,1122.04 971.24,1122.04
AVDDT_PHY on L2 "NONET_L-01_P-001" (solid, remove dead copper, pour order 158): 422.85,495.3 422.85,4.26 574.66,-147.55 665.85,-147.55 744,-225.71 916.16,-225.71 981.3,-160.57 981.3,-74.43 813.76,93.11 744.07,162.81 744.09,332.73 571.53,505.3 432.85,505.3
TEC0_N on L2 "NONET_L-01_P-001" (solid, remove dead copper, pour order 144): 3817.67,347.44 3885.39,279.72 4054.85,279.72 4091.54,243.04 4091.54,23.89 4039.04,-32.92 3985.33,-32.92 3962.66,-55.71 3879.05,-57.2 3815.94,5.91 3815.94,84.65 3728.35,172.24 3728.35,329.72 3746.06,347.44
GND on G1 (split plane): 182 vertices, not listed, extent 20.1,-432.66 4704.31,1515.34

## Keep-outs
TOP:
  circle w10: c4675.2,728.35 r72.49
  lines w5: 571.85,1415.35 603.35,1446.85 4510.83,1446.85 4585.63,1372.05 4722.44,1372.05 4723.43,1373.03
  lines w20: 2197.9,1187.82 2504.4,1187.82 2549.3,1142.92 2549.3,1059.42 2514.86,1024.98 2219.06,1024.98
L2:
  circle w10: c4675.2,728.35 r72.29
  lines w20: 2214.41,1030.61 2511.88,1030.61 2556.68,1075.42 2556.68,1145.67 2556.68,1163.69 2533.18,1187.19 2223.54,1187.19 2214.41,1178.05
BOT:
  lines w20: 2161.42,1190.94 2188.63,1218.15 2482.63,1218.15 2558.07,1142.72 2558.07,1090.55 2500.22,1032.7 2240.8,1032.7
KeepOutLayer:
  lines w3.94: 0,114.17 144.68,114.17 144.68,417.32 0,417.32 ; 4232,-432.66 393.7,-432.66 ; 393.7,-432.66 59.06,-432.66 59.06,-137.8 0,-78.74 0,1535.43 334.65,1535.43 334.65,1517.25 4724.41,1517.25 4724.41,-432.66 ; 393.7,-432.66 393.7,-452.76 4165.01,-452.76 4165.01,-432.66 4724.41,-432.66 ; 4724.41,-432.66 4724.41,-432.66
  lines w5: 58.07,-367.13 4722.44,-367.13

## Other copper
TOP:
  rectangle net NetIC3_3: 416.3,-331.5 442.09,-283.46
  rectangle net NetIC8_1_15: 3475,-310.21 3564,-289.76
  rectangle net GND: 2253.94,29.37 2263.78,43.92
  rectangle net GND: 2796.67,318.02 2812.89,332.61
  rectangle net GND: 2796.67,-223.42 2812.89,-208.57
  rectangle net GND: 2163.28,224.19 2185,239.41
  rectangle net SW1_1: 3110.24,-259.93 3131.92,-236.22
  rectangle net SW2_1: 3110.24,31.47 3129.28,55.48
  rectangle net SW1_2: 3110.39,286.03 3133.88,305.27
  rectangle net SW2_2: 3110.24,579.24 3133.88,596.46
  rectangle net SW2_1: 3016.4,37.24 3047.48,93.24
  rectangle net SW1_1: 3021.48,-295.08 3046.48,-240.15
  rectangle net SW2_2: 3017.92,579.24 3049,635.24
  rectangle net SW1_2: 3023,246.92 3048,301.85
  rectangle net NetC60_1_1: 3181.48,-254.76 3213.35,-230.29
  rectangle net NetC12_2: 4242.05,1246.01 4251.76,1256.31
  rectangle net GND: 3885.75,753.06 3906.02,768.15
L2:
  rectangle net P5V0: 1799.9,-354.63 1844.49,-288.38
  region net P5V0: 645.43,-340.71 627.59,-358.56 663.28,-358.56
BOT:
  rectangle net GND: 2348.43,399.61 2369.09,472.44
  rectangle net GND: 4263.82,974.41 4365.93,1028.62
  rectangle net GND: 2925.35,374.24 3249.38,500.55
  rectangle net GND: 2919.19,-165.67 3236.66,-40.84
  rectangle net GND: 3179.13,-344.45 3201.71,-331.75
  rectangle net P5V0: 3216.8,122.6 3266.2,166.66
  rectangle net SW1_1: 3026.48,-305.05 3125.48,-284.92
  rectangle net SW1_1: 3076.48,-284.92 3089.48,-204.76
  rectangle net SW2_1: 3020.48,38.97 3088.48,100.24
  rectangle net SW2_1: 3077.41,17.24 3091.48,97.24
  rectangle net SW1_1: 3026.48,-305.05 3083.16,-247.24
  rectangle net SW1_2: 3028,236.95 3084.68,294.76
  rectangle net SW1_2: 3028,236.95 3127,257.08
  rectangle net SW1_2: 3078,257.08 3091,337.24
  rectangle net SW2_2: 3022,580.97 3090,642.24
  rectangle net SW2_2: 3078.93,559.24 3093,639.24
  rectangle net P5V0: 3212.63,196.85 3253.89,230.27
  rectangle net P5V0: 3218.32,664.6 3267.72,708.66
  pour cut-out: 2653,-452.76 2653,-221.76 2705.7,-169.06 2843.24,-169.06 2877.46,-134.84 2895,-134.84 2895,-155.76 2853.42,-197.33 2710.37,-197.33 2678,-229.7 2678,-452.76
  pour cut-out: 3503.94,807.09 3503.94,1555.12 3484.25,1555.12 3484.25,807.09 3435.04,757.87 3129.92,757.87 3100.39,728.35 3100.39,521.65 3120.08,521.65 3120.08,718.5 3139.76,738.19 3435.04,738.19
G1 (plane layer: these items are gaps in the copper):
  circle w19.68: c2470.58,1104.33 r32.85
  circle w19.68: c2370.58,1104.33 r32.85
  circle w19.68: c2270.58,1104.33 r32.85
  rectangle: 2170.58,1038.32 2549.21,1171.26
  lines w20: 0,866.14 167.32,866.14 196.85,836.61 ; 2448.82,-453.74 2665,-453.74 2665,-225.83 2707.36,-183.47 2846.17,-183.47 2883.86,-145.78 ; 3110.24,521.65 3110.24,718.5 3139.76,748.03 3228.35,748.03 3435.04,748.03 3494.09,807.09 3494.09,1338.58 1597.85,1338.58 1509.27,1427.17 925.2,1427.17 632.93,1427.17 489.57,1283.81 442.91,1237.15 442.91,1043.31 442.91,866.14 442.91,807.09 442.91,757.87 403.54,718.5 314.96,718.5 196.85,836.61 ; 196.85,836.61 196.85,836.61

## Silkscreen, mask and mechanical layers (free items; w line width, h text height)
TopOverlay:
  drawing of 546 lines, arcs and shapes, not listed
  text "TEC1" at 4364.18,1378.46 h60
  text "BOOT" at 2614.19,27.67 h30
  text "12V" at 1651.08,-167.52 h39.37
  text "G" at 1531.8,-168.45 h39.37
  text "T" at 1786.42,-168.45 h39.37
  text "FAN" at 1883.23,-291.76 h39.37
  text "TEC1" at 3864,-361.76 h60
  text "TEC2" at 4209,-364.76 h60
  text "TEC2" at 4487,-369.76 h60
  text "G  Tx  Rx  3V3" at 2232.08,-398.62 h30
  text "5V" at 1793.31,-402.56 h30
  text "3.3V" at 1916.34,-402.56 h30
  text "12V" at 2062.99,-402.56 h30
  text "WUT ISE 2024" at 3315.94,-425.2 h40
  text "Thermostat v.P_version" at 644.53,-436.18 h60
BottomOverlay:
  drawing of 554 lines, arcs and shapes, not listed
  text "Thermostat v.P_version" at 2583,1417.24 h60
  text "WUT ISE 2024" at 2400.7,1311.03 h40
  text "ADC3 IN13" at 3122.41,1106.15 h39.37
  text "P12V0" at 316.34,998.03 h39.37
  text "P3V3" at 311.58,916.34 h39.37
  text "P5V0" at 292.93,815.94 h39.37
  text "ADC3 IN12" at 1868.71,797.99 h39.37
  text "CPIU ADC REF" at 1291,731.24 h39.37
  text "GND" at 295.86,686.61 h39.37
  text "ADC DOUT" at 2049.01,664.98 h39.37
  text "DAC1" at 1793,638.24 h39.37
  text "SYNC" at 1718.97,585.24 h39.37
  text "SCLK" at 1725.88,547.48 h39.37
  text "DIN" at 1972.03,547.48 h39.37
  text "PWM max V0" at 2669.41,508.15 h39.37
  text "SDIN" at 1718.97,504.67 h39.37
  text "DAC0" at 1909.45,486.57 h39.37
  text "ADC CSN" at 2012.85,463.63 h39.37
  text "SDIN" at 1909.45,446.26 h39.37
  text "SYNC" at 1909.45,415.24 h39.37
  text "PWM max Ipos0" at 2826.39,415.24 h39.37
  text "SCLK" at 2019.78,396.22 h39.37 r270
  text "SCLK" at 1909.45,377.24 h39.37
  text "I set 2" at 2049.01,279.57 h39.37
  text "SCL" at 1609,259.24 h39.37
  text "PWM max Ineg0" at 2923.23,218.5 h39.37
  text "SDA" at 1477,203.24 h39.37
  text "I2C4" at 1570.87,203.24 h39.37
  text "MDIO" at 1261.95,106.4 h39.37
  text "P5V0A" at 1994,102.24 h39.37
  text "I set 1" at 2822,49.24 h39.37
  text "PWM maxV1" at 2746.06,-70.76 h39.37
  text "MDC" at 1556,-109.76 h39.37
  text "PWM pos Ineg1" at 2744.1,-190 h39.37
  text "PWM max Ineg1" at 2741,-364.76 h39.37
BottomSolder:
  rectangle: 2062.01,353.35 2366.14,572.83
Mechanical1:
  lines w3.94: 59.06,-432.66 59.06,-137.8 0,-78.74 0,114.17 119.01,114.17 144.49,114.17 144.49,417.32 120.08,417.32 0,417.32 0,1535.43 355.83,1535.43 374.02,1517.25 ; 393.7,-432.66 413.8,-452.76 4212.6,-452.76 4232.7,-432.66 4468.09,-432.66 4724.41,-432.66 4724.41,1535.43 ; 4233.78,1517.25 4251.97,1535.43 4724.41,1535.43 ; 4724.41,1535.43 4724.41,1535.43
  lines w6: 59.06,-432.66 393.7,-432.66 ; 374.02,1517.25 4233.78,1517.25

## Text inside footprints (layer, text, board x,y; h text height)
IC2: TopOverlay "1" at 1887.36,1082.68 h47.24; Mechanical14 "1" at 1887.36,1082.68 h47.24
J1: TopOverlay "10" at 4072.26,-59.1 h39.37 r270; Mechanical14 "10" at 4072.26,-59.1 h39.37 r270
J3: TopOverlay "10" at 4436.44,-60.28 h39.37 r270; Mechanical14 "10" at 4436.44,-60.28 h39.37 r270
J4: TopOverlay "5" at 4673.36,1235.38 h39.37 r90; TopOverlay "4" at 4673.36,1085.38 h39.37 r90; TopOverlay "3" at 4673.36,935.38 h39.37 r90; TopOverlay "2" at 4673.36,785.37 h39.37 r90; TopOverlay "1" at 4673.36,647.19 h39.37 r90
J5: TopOverlay "5" at 4673.36,417.26 h39.37 r90; TopOverlay "4" at 4673.36,267.26 h39.37 r90; TopOverlay "3" at 4673.36,117.26 h39.37 r90; TopOverlay "2" at 4673.36,-32.74 h39.37 r90; TopOverlay "1" at 4673.36,-170.93 h39.37 r90
J6: TopOverlay "1" at 4350.39,904.53 h47.24 r270; Mechanical14 "1" at 4350.39,904.53 h47.24 r270
LD1: TopOverlay "A" at 158.82,1146.42 h39.37 r90; TopOverlay "B" at 258.82,1146.42 h39.37 r90; TopOverlay "C" at 358.82,1146.42 h39.37 r90; TopOverlay "D" at 458.82,1146.42 h39.37 r90; TopOverlay "A" at 539.57,1194.45 h39.37; TopOverlay "C" at 539.57,1094.45 h39.37; Mechanical14 "A" at 158.82,1146.42 h39.37 r90; Mechanical14 "B" at 258.82,1146.42 h39.37 r90; Mechanical14 "C" at 358.82,1146.42 h39.37 r90; Mechanical14 "D" at 458.82,1146.42 h39.37 r90; Mechanical14 "C" at 539.57,1094.45 h39.37; Mechanical14 "A" at 539.57,1194.45 h39.37